# Altium PCB Motherboard.PcbDoc (part 2 of 3)
Units mil, origin at the board's own origin, x right, y up, seen from the top; angles counter-clockwise.
Board outline 10000.03 x 5000.03 mil, 6 copper layers (Top Layer, Mid Layer 1, Mid Layer 2, Mid Layer 3, Mid Layer 4, Bottom Layer), stack 47.126 mil thick; 319 components, 255 nets, 1281 pads, 1580 vias.
Unrouted connection lines stored in the file: 180.
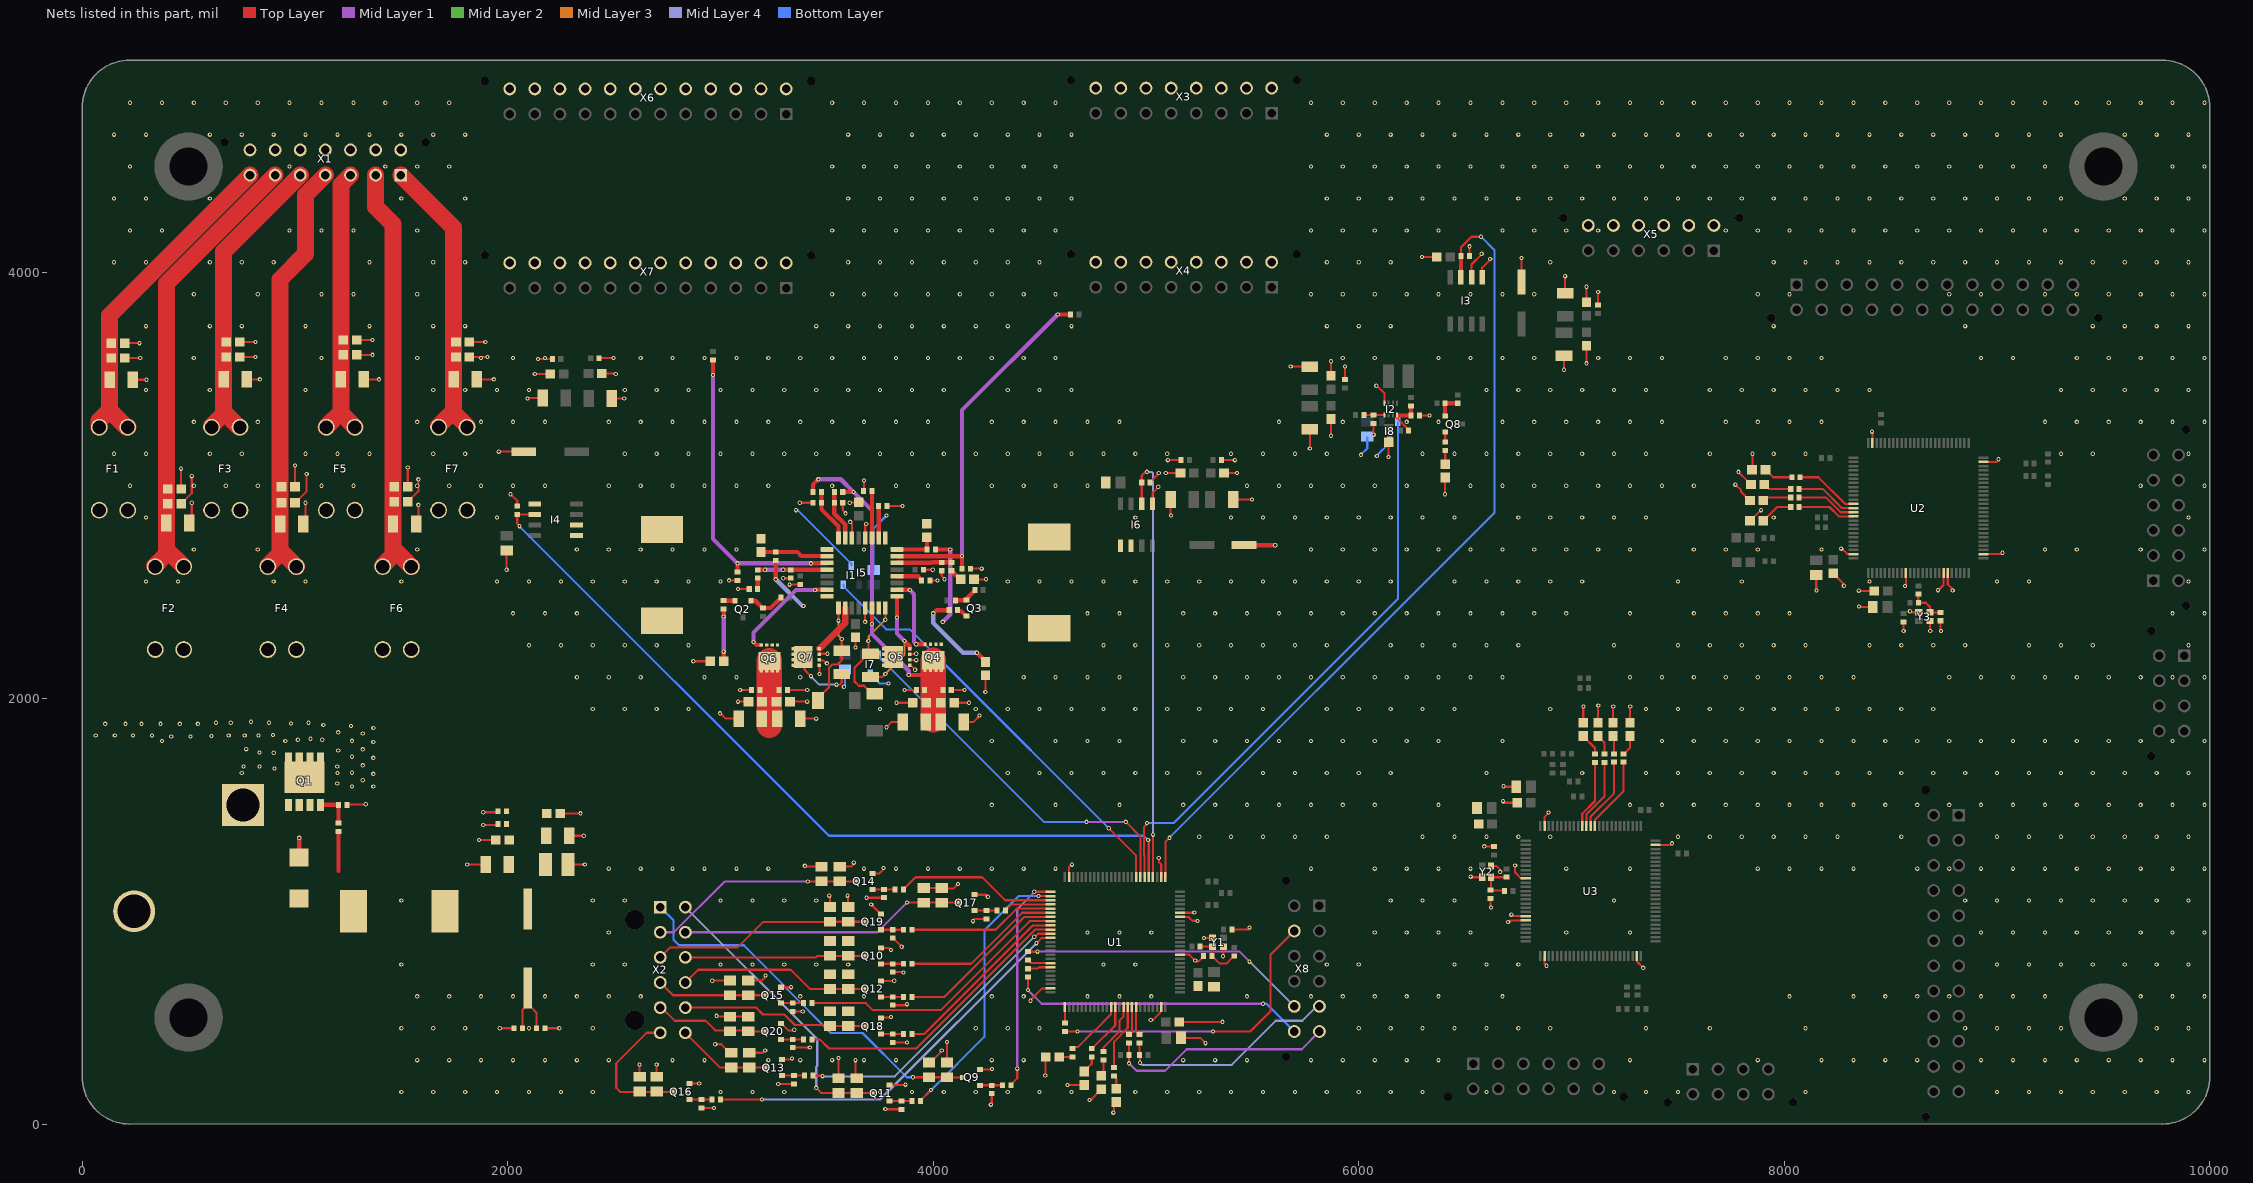
[diagram p6: the nets of this part, all layers, seen from the top]

## Via types
v1: diameter 20, hole 10, Top Layer to Bottom Layer, tented both sides, 1580 vias

## Nets (pads, with @x,y where several pads share a name; then routed paths per layer and width w, separated by ;. In a path a pad name is that pad's centre, name@x,y a point inside that pad or via, vN(x,y) a via of type N, cw(c..) or ccw(c..) an arc to the next point about the centre after c; other vN are vias at no path point) (continued)
BAT_Main: C4.1 C5.1 C6.1 C7.1 C8.1 C9.1 C10.1 C15.1 C16.1 C20.1 C21.1 C22.1 C35.1 C36.1 C37.1 C38.1 C122.1 C129.1 C130.1 C131.1 F1.1 F2.1 F3.1 F4.1 F5.1 F6.1 F7.1 I5.22 L4.2 Q4.3 Q6.3 R18.2 R19.2 | length 2004.4
  Top Layer w20: R19.2@3435.32,2970 3435.32,3005.32 v1(3460,3030) ; R18.2@3575,2970 v1(3625,2970) ; v1(3712.24,2350) I5.22@3712.24,2425.43 ; v1(3885,2110) 3955,2110
  Top Layer w120: 3230,1875 Q6.3@3230,2176.22 ; 4000,1900 Q4.3@4000,2180
  Mid Layer 1 w20: v1(3460,3030) 3565,3030 v1(3625,2970) 3712.24,2882.76 v1(3712.24,2350) 3712.24,2302.76 3885,2130 v1(3885,2110)
BAT_MAIN_U: D1.1 J1.2 L4.1 R1.1 | length 188.2
  Top Layer w20: D1.1@1015,1050 D1.1@1015,1052.91 ; 1205,1190 R1.1@1205,1375.32
COMP1: C46.1 I5.30 R20.2 | length 261.3
  Top Layer w10: I5.30@3829.57,2637.24 I5.30@3830.79,2638.46 ; C46.1@4035,2640 4035.32,2639.68 C46.1@4039.68,2639.68 ; C46.1@4038.46,2638.46 C46.1@4039.68,2639.68 ; C46.1@4040,2639.68 C46.1@4039.68,2639.68
  Top Layer w20: I5.30@3830.79,2638.46 3993.46,2638.46 ; 3995,2639.68 4005,2639.68 R20.2@4085,2639.68
COMP2: C50.1 I5.12 R21.2 | length 321
  Top Layer w10: R21.2@3175,2604.68 R21.2@3175.16,2604.84 ; v1@3209.84,2604.84 v1(3210,2605) ; I5.12@3499.9,2605.22 I5.12@3500.43,2605.75
  Top Layer w20: R21.2@3175.16,2604.84 v1@3209.84,2604.84 ; v1(3295,2605) 3329.68,2605 C50.1@3330,2604.68 ; C50.1@3335,2605 3335.22,2605.22 I5.12@3499.9,2605.22
  Mid Layer 1 w20: v1(3210,2605) v1(3295,2605)
CS1+: C25.2 I5.32 R11.2 | length 199.2
  Top Layer w10: I5.32@3830,2700 I5.32@3830.24,2700.24 ; R11.2@3970,2700 R11.2@3970.24,2700.24 ; C25.2@3970,2758.5 C25.2@3970.32,2758.19 ; R11.2@3970.32,2700.24 R11.2@3970.24,2700.24 ; R11.2@3970.32,2700.32 R11.2@3970.24,2700.24
  Top Layer w20: I5.32@3830.24,2700.24 R11.2@3970.24,2700.24 ; R11.2@3970.32,2700.32 C25.2@3970.32,2758.19
CS1-: C25.1 I5.1 I6.1 I6.2 L1.2
CS2+: C40.2 I5.10 R15.2 | length 318.3
  Top Layer w20: C40.2@3190,2688.5 3258.5,2688.5 R15.2@3260,2690 ; R15.2@3260,2688.5 3361.5,2688.5 3380,2670 I5.10@3500,2670
CS2-: C40.1 I4.1 I4.2 I5.9 L2.2
Debug_LED0: R74.1 U3.90 | length 324.5
  Top Layer w10: U3.90@7050.63,1400.12 7050.63,1458.65 7110,1518.02 R74.1@7110,1700
Debug_LED1: R76.1 U3.89 | length 335
  Top Layer w10: U3.89@7070.31,1400.12 7070.31,1455.32 7155,1540 R76.1@7155,1700
Debug_LED2: R80.1 U3.88 | length 345.4
  Top Layer w10: U3.88@7090,1400.12 7090,1445 7200,1555 R80.1@7200,1700
Debug_LED3: R84.1 U3.87 | length 355.9
  Top Layer w10: U3.87@7109.69,1400.12 7110.27,1400.7 7110.27,1430.27 7245,1565 R84.1@7245,1700
Debug_LED4: R73.1 U2.90 | length 274
  Top Layer w10: R73.1@8069.69,2900 8212.3,2900 8256.55,2855.75 8324.25,2855.75 U2.90@8325,2855
Debug_LED5: R75.1 U2.89 | length 284
  Top Layer w10: R75.1@8070,2945 8195,2945 8264.57,2875.43 U2.89@8325.2,2875.43
Debug_LED6: R79.1 U2.88 | length 292.4
  Top Layer w10: R79.1@8070,2985 8180,2985 8269.88,2895.12 U2.88@8325.2,2895.12
Debug_LED7: R83.1 U2.87 | length 302.1
  Top Layer w10: R83.1@8075,3040 8160,3040 8285.2,2914.8 U2.87@8325.2,2914.8
Debug_LED8: R32.1 U1.91 | length 311.5
  Top Layer w10: R32.1@4850,265 4850,387.3 4914.37,451.67 U1.91@4914.37,549.88
Debug_LED9: R37.1 U1.90 | length 249.4
  Top Layer w10: R37.1@4800,339.69 4800.64,340.32 4800.64,360.64 4875,435 4875,485 4893.78,503.78 4893.78,548.98 U1.90@4894.69,549.88
Debug_LED10: R39.1 U1.88 | length 239.8
  Top Layer w10: R39.1@4745,360 4752.28,360 4855.31,463.03 U1.88@4855.31,549.88
Debug_LED11: R40.1 U1.87 | length 281.4
  Top Layer w10: R40.1@4655,355 4661.5,361.5 4678.88,361.5 4755.95,438.56 4758.56,438.56 4835.63,515.63 U1.87@4835.63,549.88
EN1: I5.7 R18.1 R23.2 | length 236.8
  Top Layer w10: R23.2@3535,2920 R23.2@3535.32,2920.32
  Top Layer w20: R23.2@3535,2920 3535,2868.46 3586.26,2817.2 I5.7@3586.26,2754.57 ; R23.2@3535.32,2920.32 R18.1@3535.32,2970
EN2: I5.8 R19.1 R24.2 | length 248.6
  Top Layer w10: R24.2@3474.68,2920.32 R24.2@3475,2920
  Top Layer w20: R24.2@3474.68,2920.32 R19.1@3474.68,2970 ; R24.2@3475,2920 3475,2888.88 3554.76,2809.11 I5.8@3554.76,2754.57
EN_3.3V: I2.5 R26.1 R28.2 | length 96.4
  Top Layer w10: R26.1@6024.69,3332.44 R28.2@6070,3332.44 6117.44,3332.44 I2.5@6120,3335
FB1: I5.31 R16.1 R22.2 | length 1745.5
  Top Layer w20: I5.31@3831.65,2668.74 4133.74,2668.74 v1(4135,2670) 4135.16,2669.84 R22.2@4135.16,2610.16 ; v1(4585,3805) R16.1@4645.31,3805
  Mid Layer 1 w20: v1(4135,2670) 4135,3355 v1(4585,3805)
FB2: I5.11 R17.1 R69.1 | length 1464.6
  Top Layer w10: I5.11@3498.19,2635 I5.11@3500.43,2637.24
  Top Layer w20: v1(2965,3520) R17.1@2965,3590.32 ; R69.1@3080,2594.68 v1(3080,2635) ; v1(3425,2635) I5.11@3498.19,2635
  Mid Layer 1 w20: v1(2965,3520) 2965,2750 v1(3080,2635) v1(3425,2635)
FB_3.3V: C60.2 I2.8 R30.1 R31.2 | length 194.4
  Top Layer w10: I2.8@6180,3332.44 6180,3330.08 I2.8@6180.08,3330 ; I2.8@6180.08,3325.63 6180.08,3316.57 6234.69,3261.97 C60.2@6234.69,3260 ; R31.2@6245.16,3330.16 R31.2@6245.31,3330
  Top Layer w20: 6185,3330 6245,3330 R30.1@6245,3373.5
GND: C1.2 C2.2 C3.2 C4.2 C5.2 C6.2 C7.2 C8.2 C9.2 C10.2 C11.2 C12.2 C13.2 C14.2 C15.2 C16.2 C17.2 C18.2 C19.2 C20.2 C21.2 C22.2 C23.1 C24.1 C26.2 C27.2 C28.2 C29.2 C30.1 C33.2 C34.2 C35.2 C36.2 C37.2 C38.2 C39.2 C41.2 C42.2 C43.2 C44.2 C45.2 C46.2 C47.2 C48.2 C49.2 C50.2 C51.2 C52.2 C53.2 C54.2 C55.2 C56.2 C57.2 C58.2 C59.2 C61.2 C62.2 C63.2 C64.2 C65.1 C66.2 C67.2 C68.2 C69.2 C70.2 C71.2 C72.2 C73.2 C74.2 C75.2 C76.2 C77.2 C78.2 C79.2 C80.2 C81.2 C82.2 C83.2 C84.2 C85.2 C86.2 C87.2 C88.2 C89.2 C90.2 C91.2 C92.1 C93.2 C94.2 C95.2 C96.2 C97.2 C98.2 C99.2 C100.2 C101.2 C102.2 C103.2 C104.2 C105.2 C106.2 C107.2 C108.2 C109.2 C110.2 C111.2 C112.2 C113.2 C114.1 C115.1 C116.2 C117.2 C118.2 C119.2 C120.1 C121.1 C123.2 C124.2 C125.2 C126.2 C127.2 C128.2 C129.2 C130.2 C131.2 D1.2 D4.2 D5.2 D6.2 D7.2 D8.2 D9.2 D10.2 D11.2 D12.2 D13.2 D14.2 D15.2 D16.2 I1.3 I2.4 I3.5 I3.6 I4.5 I5.4 I5.6 I5.21 I6.5 I7.3 I8.3 PG_5V.2 PG_12V.2 Q1.3 Q5.2 Q7.2 Q9.2 Q10.2 Q11.2 Q12.2 Q13.2 Q14.2 Q15.2 Q16.2 Q17.2 Q18.2 Q19.2 Q20.2 R2.1 R3.1 R4.1 R12.1 R13.1 R14.1 R22.1 R23.1 R24.1 R28.1 R31.1 R50.2 R51.2 R54.2 R55.2 R57.2 R61.2 R62.2 R63.2 R66.2 R67.2 R69.2 R71.2 R72.2 U1.10 U1.19 U1.20 U1.27 U1.49 U1.74 U1.99 U2.10 U2.19 U2.20 U2.27 U2.49 U2.74 U2.99 U3.10 U3.19 U3.20 U3.27 U3.49 U3.74 U3.99 X1.P$8 X1.P$9 X1.P$10 X1.P$11 X1.P$12 X1.P$13 X1.P$14 X3.P$9 X3.P$10 X3.P$11 X3.P$12 X3.P$13 X3.P$14 X3.P$15 X3.P$16 X4.P$9 X4.P$10 X4.P$11 X4.P$12 X4.P$13 X4.P$14 X4.P$15 X4.P$16 X5.P$7 X5.P$8 X5.P$9 X5.P$10 X5.P$11 X5.P$12 X6.P$13 X6.P$14 X6.P$15 X6.P$16 X6.P$17 X6.P$18 X6.P$19 X6.P$20 X6.P$21 X6.P$22 X6.P$23 X6.P$24 X7.P$13 X7.P$14 X7.P$15 X7.P$16 X7.P$17 X7.P$18 X7.P$19 X7.P$20 X7.P$21 X7.P$22 X7.P$23 X7.P$24 Y1.2 Y2.2 Y3.2 | length 15854.6
  Top Layer w10: C94.2@200,3600 v1(272.78,3600) ; C95.2@200,3670 v1(270,3670) ; C93.2@237.12,3498 298.16,3498 300,3499.84 v1@300,3500 ; C97.2@465,2915 465.98,2915 515,2964.02 v1(515,3045) ; C98.2@465,2985 v1(465,3080) ; C96.2@504.13,2825 515,2835.87 v1(515,2920) ; C100.2@740,3605 v1(815,3605) ; C101.2@740,3675 v1(815,3675) ; C99.2@774.13,3500 v1(835,3500) ; C103.2@1000,2920 1000.98,2920 1055,2974.02 v1(1055,3055) ; C104.2@1000,2995 v1(1000,3095) ; C102.2@1039.13,2820 1050,2830.87 v1(1050,2920) ; R2.1@1245,1500 1246.41,1501.41 1331.37,1501.41 v1(1332.78,1502.81) ; C106.2@1290,3615 v1(1365,3615) ; C107.2@1290,3685 v1(1365,3685) ; C105.2@1324.13,3500 v1(1395,3500) ; C109.2@1530,2925 1530.98,2925 1580,2974.02 v1(1580,3030) ; C110.2@1530,2995 v1(1530,3085) ; C108.2@1569.13,2820 1580,2830.87 v1(1580,2910) ; v1(1810,1220) C5.2@1895.87,1220 ; C112.2@1820,3605 v1(1905,3605) ; C113.2@1820,3675 v1(1895,3675) ; C111.2@1854.13,3500 v1(1935,3500) ; v1(1865,1335) C7.2@1943.5,1335 ; v1(1885,1405) 1950.32,1405 C9.2@1955.32,1410 ; v1(1885,1465) 1950.32,1465 C10.2@1955.32,1470 ; v1@1960,3160 C39.2@2075.98,3160 ; v1@1964.68,450 R3.1@2030.32,450 ; v1(1995,2605) C11.2@1995,2695.71 ; v1@2015,2960 2045,2930 C12.2@2045,2904.37 ; v1@2095,3410 2097,3412 C33.2@2163.87,3412 ; v1@2130,3525 C43.2@2200,3525 ; v1@2145,3595 C128.2@2210,3595 ; R4.1@2174.68,450 v1@2240.32,450 ; C8.2@2246.5,1460 v1@2345,1460 ; C4.2@2282.8,1220 v1@2365,1220 ; C6.2@2289.13,1355 v1@2360,1355 ; C45.2@2429.68,3599 2430.68,3600 v1@2500,3600 ; C44.2@2442.86,3527 2508,3527 v1@2510,3525 ; C34.2@2488.13,3410 v1@2550,3410 ; C80.2@2620,221.64 v1(2620,280) ; C81.2@2700,221.64 v1(2700,280) ; Q16.2@2854.37,189.75 2854.49,189.88 2899.88,189.88 v1(2900,190) ; v1@2875,2175 PG_12V.2@2952.01,2175 ; R63.2@2910,75.58 2910.29,75.29 2969.71,75.29 v1(2970,75) ; v1@2965,670 2969.65,674.65 C78.2@3045,674.65 ; v1(2975,375) 3003.54,375 3043.9,334.65 C74.2@3050,334.65 ; v1@2985,505 2985.35,504.65 C88.2@3045,504.65 C89.2@3130,504.65 ; v1@3000,1930 3025,1905 C35.2@3086.73,1905 ; v1(3040,2555.07) 3040.12,2555.19 3079.88,2555.19 R69.2@3080,2555.32 ; v1@3085,1985 C36.2@3132.01,1985 ; v1@3085,2515 C52.2@3135.32,2515 ; v1@3095,2040 C38.2@3145.32,2040 ; C79.2@3130,674.65 3194.65,674.65 v1@3215,695 ; C75.2@3135,334.65 3199.65,334.65 v1(3210,345) ; v1@3275,185 3278.58,188.58 R57.2@3345,188.58 ; Q20.2@3284.37,472.76 3286.34,472.76 3319.09,440 3350,440 3346.76,443.24 v1(3346.53,443.24) ; Q15.2@3284.37,642.76 3332.24,642.76 v1@3335,640 ; Q13.2@3289.37,302.76 3337.93,302.76 v1@3339.63,304.46 ; v1(3295,2565) 3295.16,2565.16 3329.84,2565.16 C50.2@3330,2565.32 ; C131.2@3314.68,2040 v1@3410,2040 ; v1(3325,2535) 3325.16,2535.16 3374.84,2535.16 C30.1@3375,2535.32 ; C37.2@3326.5,1985 v1@3410,1985 ; R72.2@3340,358.58 3340.71,359.29 3419.29,359.29 v1(3420,360) ; R62.2@3340,528.58 3386.42,528.58 v1@3390,525 ; C130.2@3374.13,1905 v1(3450,1905) ; v1@3375,2920 3375.04,2920.04 R24.1@3435.32,2920 R24.1@3435.32,2920 ; v1@3400,1210 3474.65,1210 C77.2@3475,1209.65 ; Q7.2@3464.8,2156.61 3464.9,2156.52 3464.9,2115.1 v1(3465,2115) ; Q7.2@3464.8,2182.2 3467.68,2179.33 3482.96,2179.33 3497.29,2165 v1(3500,2165) ; Q7.2@3464.8,2207.8 3467.01,2210 v1@3505,2210 ; C87.2@3515,1019.65 v1@3515,1070 ; C71.2@3555,214.65 v1(3555,310) ; C76.2@3560,1209.65 3614.65,1209.65 v1@3630,1225 ; R23.1@3574.68,2920 3574.68,2885.32 v1@3590,2870 ; C86.2@3600,1019.65 v1@3600,1070 ; v1(3610,2830) 3617.76,2822.24 I5.6@3617.76,2754.57 ; v1@3610,2920 3611.5,2921.5 C23.1@3650,2921.5 ; v1(3635,300) 3635,219.65 C70.2@3640,214.65 ; v1(3635,2240) C29.2@3635,2287.01 ; R13.1@3672.87,2975 3673.94,2976.06 3673.94,3023.94 v1(3675,3025) ; v1(3680,2360) 3680,2424.69 I5.21@3680.75,2425.43 ; I5.4@3680.75,2754.57 3680.75,2813.04 3685,2817.29 v1(3685,2820) ; v1@3690,1065 3691.42,1063.58 R61.2@3768,1063.58 ; v1@3710,1030 3710.16,1030 3752.4,987.76 Q19.2@3754.37,987.76 ; Q14.2@3714.37,1177.76 3747.76,1177.76 v1@3770,1200 ; Q18.2@3754.37,497.76 3756.61,500 v1@3805,500 ; Q12.2@3754.37,672.4 3817.6,672.4 v1@3820,670 ; Q10.2@3754.37,827.76 3792.24,827.76 v1@3805,815 ; v1(3775,70) 3775.71,69.29 3849.29,69.29 R54.2@3850,68.58 ; v1(3780,1865) 3805,1890 C15.2@3855.87,1890 ; R14.1@3783.11,2905 R14.1@3783.11,2905 3854.96,2905.04 v1(3855,2905.07) ; Q11.2@3794.37,182.76 3795.49,183.88 3868.88,183.88 v1(3870,185) ; R67.2@3810,383.58 3876.42,383.58 v1@3880,380 ; R55.2@3810,558.23 3878.23,558.23 v1@3880,560 ; R51.2@3810,713.58 3856.42,713.58 v1@3860,710 ; R71.2@3810,873.58 3811.97,873.58 3850,835.55 3850,835 v1@3855,830 ; v1@3830,1975 3835,1980 C21.2@3903.5,1980 ; v1(3865,2040) C129.2@3920.32,2040 ; Q5.2@3889.8,2156.61 3892.68,2153.74 3896.26,2153.74 v1(3915,2135) ; Q5.2@3889.8,2182.2 3892.01,2180 v1(3920,2180) ; Q5.2@3889.8,2207.8 3890.91,2208.9 3918.9,2208.9 v1(3920,2210) ; C24.1@3954.68,2605 v1@4000,2605 ; C82.2@3955,1110 4039.65,1110 C83.2@4040,1109.65 ; C66.2@3980,288.65 3986.1,288.65 4040,342.55 v1(4040,345) ; R12.1@3984.68,2555 v1(4020,2555) ; C46.2@4040,2600.32 4040,2575 v1@4055,2560 ; C83.2@4042.32,1107.32 4095.62,1107.32 v1(4116.53,1128.24) ; C67.2@4065,288.65 v1(4065,385) ; C22.2@4084.68,2040 4084.9,2039.78 4146.93,2039.78 v1(4147.15,2039.57) ; C20.2@4097.99,1980 v1@4170,1980 ; C16.2@4143.27,1890 4190,1890 v1@4220,1920 ; R22.1@4174.69,2610 v1@4230,2610 ; v1@4185,955 4193.58,963.58 R66.2@4250,963.58 ; C51.2@4191.5,2560 v1@4250,2560 ; Q17.2@4194.37,1077.76 4247.24,1077.76 v1@4255,1070 ; Q9.2@4219.37,256.76 4276.76,256.76 v1@4280,260 ; v1(4245,2030) PG_5V.2@4245,2108.5 ; v1@4275,90 R50.2@4275,142.59 ; v1@4455,580 4512.56,637.56 4549.29,637.56 U1.74@4550.2,638.46 ; D8.2@4528.5,315 4528.5,226.5 v1@4530,225 ; v1@4635,180 4638.5,183.5 D7.2@4710,183.5 ; U1.49@4638.78,1160.12 4638.78,1208.78 v1@4650,1220 ; v1@4740,110 4740,112.52 4790,162.52 D6.2@4790,163.5 ; v1@4850,50 D5.2@4850,103.5 ; C14.2@5019.37,3015 5019.37,3016.97 5060,3057.6 v1(5060,3060) ; v1@5020,490 5033.83,490 5066.57,522.74 5066.57,526.89 5071.85,532.17 U1.99@5071.85,549.88 ; I6.5@5030,2918.43 5030,2965 v1@5060,2995 ; v1(5060,1250) 5061.91,1248.09 5061.91,1229.94 5071.85,1220 U1.27@5071.85,1160.12 ; v1@5095,3060 C27.2@5162.01,3060 ; v1@5100,3120 C28.2@5165,3120 ; C18.2@5115.87,2935 5115.87,2864.13 v1@5120,2860 ; C90.2@5156.5,480 v1(5360,480) ; U1.10@5160.43,795.94 5203.83,795.94 5229.77,770 v1@5230,770 ; U1.19@5160.43,973.11 5200.02,973.11 5218.13,955 v1@5240,955 ; U1.20@5160.43,992.8 5222.8,992.8 v1@5225,995 ; C91.2@5164.65,405 5255,405 v1(5280,380) ; v1@5235,765 5247.28,765 5270.31,788.03 C65.1@5270.31,790 ; v1@5270,875 Y1.2@5311.85,875 ; C127.2@5354.37,3120 v1@5420,3120 ; v1@5365,785 Y1.2@5365,833.66 ; C26.2@5366.5,3060 v1@5430,3060 ; C92.1@5404.69,915 5485,915 v1@5490,920 ; C19.2@5409.13,2935 v1@5500,2935 ; v1(5680,3560) 5769.13,3560 C41.2@5770,3559.13 ; v1(5770,3175) C42.2@5770,3265.87 ; v1(5870,3235) C54.2@5870,3313.5 ; C53.2@5870,3516.5 v1(5870,3585) ; C55.2@5935,3499.68 v1(5935,3560) ; v1(6070,3240) R28.1@6070,3293.07 ; v1@6085,3470 6120.94,3434.06 I2.4@6120.94,3387.56 ; v1(6140,3135) 6140,3202.87 C56.2@6140.63,3203.5 ; R31.1@6284.69,3330 v1@6335,3330 ; v1@6300,4075 C61.2@6367.01,4075 ; v1(6405,2960) 6405,3037.24 D4.2@6406.26,3038.5 ; C62.2@6519.69,4080 6520,4080.32 v1(6520,4125) ; v1@6525,1160 Y2.2@6580,1160 ; I3.6@6530,3980.24 6530,4040 v1@6580,4090 ; I3.5@6580,3980.24 6580,4025 v1@6620,4065 ; v1(6590,1305) 6590.16,1304.84 6634.84,1304.84 C114.1@6635,1304.68 ; v1@6620,1020 C120.1@6620,1060 ; Y2.2@6621.34,1213.15 6646.85,1213.15 6663.09,1196.91 6663.09,1186.91 v1(6665,1185) ; v1@6676.5,1515 6681.5,1510 C116.2@6745,1510 ; v1@6679.65,1585 C117.2@6740,1585 ; v1@6705,950 6712.2,957.2 U3.20@6784.88,957.2 ; v1@6720,985 6728.11,976.89 U3.19@6784.88,976.89 ; v1(6735,1215) 6735,1182.07 6762.11,1154.96 6783.98,1154.96 U3.10@6784.88,1154.06 ; C47.2@6765,3956.61 v1(6765,4070) ; U3.27@6873.46,789.88 6873.46,751.54 v1@6880,745 ; U3.99@6873.46,1400.12 6873.46,1443.46 v1@6895,1465 ; v1(6965,3545) C48.2@6965,3610.87 ; C49.2@6970,3904.13 v1(6970,3985) ; D9.2@7055,1886.5 v1@7055,1960 ; v1(7070,3575) C57.2@7070,3658.5 ; C58.2@7070,3861.5 v1(7070,3935) ; D10.2@7125,1886.5 v1@7125,1960 ; C59.2@7125,3849.68 v1(7125,3910) ; D11.2@7195,1886.5 v1@7195,1960 ; D12.2@7275,1886.5 v1@7275,1960 ; U3.49@7306.54,789.88 7307.44,788.98 7307.44,763.76 v1(7337.14,734.06) ; U3.74@7395.12,1311.54 7461.54,1311.54 v1@7470,1320 ; v1(7770,3005) 7796.91,2978.09 7796.91,2970.61 7837.52,2930 D14.2@7838.5,2930 ; v1(7785,3065) 7785,3063.5 7825.87,3022.64 7825.87,3021.65 7842.52,3005 D15.2@7843.5,3005 ; D13.2@7838.5,2835 7839.49,2835 7889.49,2885 v1(7890,2885) ; D16.2@7848.5,3075 7850,3076.5 v1(7850,3150) ; v1@8150,2505 C123.2@8150,2580.35 ; C124.2@8230,2588.5 8230,2587.52 8278.09,2539.43 8278.09,2531.91 v1(8280,2530) ; v1@8270,2705 8295.51,2679.49 8324.29,2679.49 U2.99@8325.2,2678.58 ; v1@8350,2430 C125.2@8415.35,2430 ; v1@8350,2505 C126.2@8423.5,2505 ; U2.74@8413.78,3200.24 8413.78,3253.78 v1@8415,3255 ; v1@8560,2315 C115.1@8560,2360.32 ; v1@8570,2530 8571.26,2531.26 U2.10@8571.26,2590 ; v1(8590,2410) 8592.71,2410 8597.71,2405 Y3.2@8631.85,2405 ; v1@8685,2315 Y3.2@8685,2363.66 ; v1@8725,2510 8748.43,2533.43 U2.19@8748.43,2590 ; v1@8735,2315 C121.1@8735,2365.32 ; U2.20@8768.11,2590 8768.11,2536.89 v1@8795,2510 ; U2.27@8935.43,2678.58 9015.88,2678.58 9022.29,2685 v1(9025,2685) ; U2.49@8935.43,3111.65 8996.65,3111.65 v1@9005,3120
  Top Layer w20: D1.2@1020,1252.8 v1(1020,1345) ; C17.2@5460,2721.57 5461.57,2720 v1@5610,2720
  Bottom Layer w10: v1(3355,2885) 3363.15,2885 3615,2633.15 I1.3@3615,2625.28 ; v1(3580,2055) 3585,2060 C2.2@3585,2135.98 ; I7.3@3705,2114.72 3705,2106.85 3712.8,2099.06 3720.67,2099.06 3749.72,2070 v1(3790,2070) ; C1.2@3720,2604.02 3720,2800 v1(3780,2860) ; v1(6010,3145) 6040,3175 C3.2@6040,3225.35 ; v1(6085,3140) 6085,3141.85 6145,3201.85 I8.3@6145,3209.72
  other v1: 4846.53,53.24 4270.8,91.01 4734.12,112.69 1500,150 1650,150 1800,150 1950,150 2100,150 2250,150 2400,150 2850,150 3000,150 3150,150 3300,150 3750,150 3900,150 4050,150 4200,150 4350,150 4500,150 4650,150 4950,150 5100,150 5250,150 5400,150 5550,150 5700,150 5850,150 6000,150 6150,150 6300,150 6600,150 7200,150 7350,150 7500,150 8100,150 9000,150 9150,150 9300,150 9450,150 9600,150 9750,150 9900,150 4631.53,183.24 3271.53,188.24 4526.53,228.24 4276.53,258.24 1575,300 1725,300 1875,300 2025,300 2175,300 2325,300 2475,300 2775,300 2925,300 3225,300 3375,300 3525,300 3675,300 3825,300 4275,300 4425,300 5175,300 5325,300 5475,300 5775,300 5925,300 6075,300 6225,300 6375,300 7275,300 7875,300 8175,300 8325,300 8475,300 8625,300 8925,300 9075,300 9225,300 9375,300 9525,300 9675,300 9825,300 9975,300 3336.16,307.7 3876.53,383.24 1500,450 1650,450 1800,450 1962.34,450.07 2100,450 2242.66,449.93 2400,450 3750,450 4200,450 4350,450 4500,450 6000,450 6150,450 6300,450 6450,450 6600,450 6750,450 6900,450 7350,450 7650,450 8100,450 8850,450 9000,450 9150,450 9300,450 9750,450 9900,450 5022.14,489.06 3801.53,503.24 2981.53,508.24 3386.53,528.24 3876.53,563.24 4457.14,579.06 1575,600 1725,600 1875,600 2025,600 2175,600 2325,600 2475,600 2625,600 3375,600 3675,600 4275,600 4425,600 4725,600 4875,600 5025,600 5475,600 5775,600 5925,600 6075,600 6225,600 6375,600 6675,600 8025,600 8325,600 8475,600 8625,600 8775,600 8925,600 9075,600 9225,600 9675,600 9825,600 9975,600 3331.53,643.24 2961.53,673.24 3816.53,673.24 3211.53,698.24 3859.84,712.32 6882.14,744.06 1500,750 2400,750 2550,750 3000,750 3150,750 3300,750 3450,750 3600,750 4800,750 4950,750 5850,750 6000,750 6450,750 6600,750 6750,750 9000,750 9150,750 9300,750 9450,750 9600,750 9750,750 9900,750 5231.53,768.24 5361.53,788.24 3801.53,818.24 3851.67,833.01 5272.14,874.06 2475,900 4725,900 4875,900 5025,900 6075,900 6225,900 6375,900 6525,900 6975,900 7275,900 8925,900 9075,900 9225,900 9375,900 9525,900 9675,900 9825,900 9975,900 5486.53,923.24 6702.14,949.06 4186.53,953.24 5242.14,954.06 6717.14,984.06 5227.14,994.06 6621.02,1017.5 3708.24,1031.25 1500,1050 2400,1050 2550,1050 3000,1050 3150,1050 3300,1050 3450,1050 6150,1050 6300,1050 6450,1050 7200,1050 8850,1050 9000,1050 9150,1050 9300,1050 9450,1050 9600,1050 9750,1050 9900,1050 3686.53,1063.24 4256.53,1068.24 3511.53,1073.24 3596.53,1073.24 6526.02,1162.5 2475,1200 2625,1200 2775,1200 2925,1200 3075,1200 3225,1200 3675,1200 3825,1200 3975,1200 4125,1200 4275,1200 4425,1200 4575,1200 5775,1200 6075,1200 6225,1200 6375,1200 6525,1200 6975,1200 7275,1200 7875,1200 8025,1200 8175,1200 8325,1200 8625,1200 8775,1200 8925,1200 9075,1200 9225,1200 9375,1200 9525,1200 9675,1200 9825,1200 9975,1200 3766.53,1203.24 3396.53,1213.24 4652.14,1219.06 2362.65,1220.07 3626.53,1228.24 7472.14,1319.06 5250,1350 5400,1350 5550,1350 5700,1350 5850,1350 6300,1350 6450,1350 6600,1350 6750,1350 6900,1350 7500,1350 7650,1350 7800,1350 7950,1350 8100,1350 8250,1350 8550,1350 9000,1350 9150,1350 9300,1350 9450,1350 9600,1350 9750,1350 9900,1350 2357.65,1355.07 2342.65,1460.07 6892.14,1464.06 4275,1500 4575,1500 4875,1500 5175,1500 5325,1500 5475,1500 5625,1500 5775,1500 5925,1500 6075,1500 6375,1500 7275,1500 7425,1500 7575,1500 7725,1500 7875,1500 8025,1500 8175,1500 8325,1500 8475,1500 8625,1500 8775,1500 8925,1500 9075,1500 9225,1500 9375,1500 9525,1500 9675,1500 9825,1500 9975,1500 6677.52,1517.5 1268.61,1585.8 1368.61,1585.8 6680.67,1587.5 1198.61,1600.8 1318.61,1615.8 1368.61,1645.8 750,1650 1200,1650 4350,1650 4500,1650 4650,1650 4800,1650 4950,1650 5100,1650 5250,1650 5550,1650 5700,1650 5850,1650 6000,1650 6150,1650 6600,1650 7050,1650 7350,1650 7500,1650 7650,1650 7800,1650 7950,1650 8100,1650 8250,1650 8400,1650 8550,1650 8700,1650 8850,1650 9000,1650 9150,1650 9300,1650 9450,1650 9600,1650 9750,1650 9900,1650 1268.61,1650.8 903.61,1670.8 758.61,1680.8 833.61,1680.8 1198.61,1680.8 1318.61,1685.8 1368.61,1720.8 1268.61,1725.8 900.48,1744.64 833.61,1745.8 1203.61,1755.8 1318.61,1760.8 771,1761.76 1368.61,1795.8 375,1800 955,1800 4275,1800 4575,1800 4725,1800 4875,1800 5175,1800 5325,1800 5475,1800 5625,1800 5775,1800 5925,1800 6075,1800 6225,1800 6375,1800 6675,1800 7425,1800 7575,1800 7725,1800 7875,1800 8025,1800 8175,1800 8325,1800 8475,1800 8625,1800 8775,1800 8925,1800 9075,1800 9225,1800 9375,1800 9525,1800 9675,1800 9825,1800 9975,1800 1268.61,1800.8 1013.61,1805.8 1128.61,1805.8 1073.61,1810.8 418.61,1820.8 508.61,1820.8 607.28,1823.83 63.61,1825.8 153.61,1825.8 238.61,1825.8 328.61,1825.8 688.61,1825.8 763.61,1825.8 828.61,1825.8 897.27,1828.11 1318.61,1835.8 1203.61,1840.8 1368.61,1860.8 1263.61,1870.8 1133.61,1875.8 108.61,1880.8 203.61,1880.8 278.61,1880.8 368.61,1880.8 458.61,1880.8 543.61,1880.8 981.8,1882.68 628.61,1885.8 698.61,1885.8 878.61,1885.8 1063.61,1885.8 793.61,1890.8 4217.65,1920.07 2997.65,1930.07 2400,1950 2550,1950 2700,1950 2850,1950 3750,1950 4200,1950 4350,1950 4500,1950 4650,1950 4800,1950 4950,1950 5100,1950 5250,1950 5400,1950 5550,1950 5850,1950 6000,1950 6150,1950 6300,1950 6450,1950 6900,1950 7350,1950 7500,1950 7650,1950 7800,1950 7950,1950 8100,1950 8250,1950 8400,1950 8550,1950 8700,1950 7056.02,1962.5 7196.02,1962.5 7276.02,1962.5 7126.02,1967.5 3827.65,1980.07 4167.65,1980.07 3082.65,1985.07 3407.65,1985.07 3092.65,2040.07 3407.65,2040.07 2325,2100 2475,2100 2625,2100 2925,2100 3075,2100 3375,2100 4425,2100 4575,2100 4725,2100 4875,2100 5175,2100 5325,2100 5475,2100 5625,2100 5775,2100 5925,2100 6075,2100 6225,2100 6375,2100 6525,2100 6675,2100 7275,2100 7425,2100 7575,2100 7725,2100 7875,2100 8025,2100 8175,2100 8325,2100 8775,2100 8925,2100 9075,2100 9225,2100 9375,2100 9525,2100 9675,2100 9825,2100 9975,2100 2872.65,2175.07 3502.65,2210.07 2100,2250 2250,2250 2400,2250 2550,2250 2700,2250 2850,2250 4800,2250 4950,2250 5100,2250 5250,2250 5400,2250 5550,2250 5700,2250 5850,2250 6150,2250 6300,2250 6450,2250 6600,2250 6750,2250 7200,2250 7500,2250 7650,2250 7800,2250 7950,2250 8100,2250 8400,2250 8550,2250 8700,2250 8850,2250 9150,2250 9300,2250 9450,2250 9900,2250 8561.02,2317.5 8686.02,2317.5 8736.02,2317.5 2025,2400 2175,2400 2325,2400 4725,2400 4875,2400 5175,2400 5325,2400 5475,2400 5625,2400 5775,2400 5925,2400 6075,2400 6225,2400 6375,2400 6525,2400 6675,2400 6825,2400 6975,2400 7275,2400 7575,2400 7725,2400 7875,2400 8025,2400 9825,2400 9975,2400 8351.02,2432.5 8151.02,2507.5 8349.68,2506.68 8791.27,2507.27 8722.14,2509.06 3082.65,2515.07 8567.14,2529.06 300,2550 450,2550 900,2550 1050,2550 1500,2550 1950,2550 2100,2550 2250,2550 2400,2550 2550,2550 2700,2550 2850,2550 3000,2550 4350,2550 4500,2550 4650,2550 4800,2550 4950,2550 5100,2550 5250,2550 5400,2550 5550,2550 5700,2550 5850,2550 6000,2550 6150,2550 6450,2550 6600,2550 6750,2550 6900,2550 7050,2550 7500,2550 7800,2550 8400,2550 9000,2550 9150,2550 9900,2550 4052.65,2560.07 4247.65,2560.07 3997.65,2605.07 4227.65,2610.07 525,2700 825,2700 1575,2700 2325,2700 2475,2700 2625,2700 2775,2700 2925,2700 3075,2700 3675,2700 5775,2700 5925,2700 6075,2700 6225,2700 6375,2700 6525,2700 6675,2700 6825,2700 6975,2700 7125,2700 7275,2700 7575,2700 7725,2700 7875,2700 8175,2700 9225,2700 9375,2700 9675,2700 9975,2700 8267.14,2704.06 5607.65,2720.07 300,2850 1950,2850 4950,2850 5400,2850 5550,2850 5700,2850 5850,2850 6000,2850 6150,2850 6300,2850 6450,2850 6750,2850 6900,2850 7050,2850 7200,2850 7350,2850 7950,2850 9900,2850 5117.65,2860.07 3587.65,2870.07 3372.65,2920.07 3607.65,2920.07 5497.65,2935.07 2012.65,2960.07 5057.65,2995.07 225,3000 525,3000 675,3000 825,3000 1125,3000 1275,3000 1575,3000 1725,3000 1875,3000 2025,3000 2175,3000 2475,3000 2625,3000 2775,3000 2925,3000 3075,3000 3225,3000 3525,3000 3825,3000 3975,3000 4275,3000 4425,3000 4575,3000 4725,3000 5475,3000 5625,3000 5775,3000 5925,3000 6075,3000 6225,3000 6525,3000 6675,3000 6825,3000 6975,3000 7125,3000 7275,3000 7425,3000 7575,3000 9675,3000 9975,3000 5092.65,3060.07 5427.65,3060.07 5102.65,3120.07 5417.65,3120.07 9007.14,3124.06 150,3150 300,3150 600,3150 750,3150 1050,3150 1200,3150 1350,3150 1650,3150 1800,3150 2550,3150 2700,3150 2850,3150 3000,3150 3150,3150 3300,3150 3450,3150 3600,3150 3750,3150 3900,3150 4050,3150 4200,3150 4350,3150 4500,3150 4650,3150 4800,3150 4950,3150 5100,3150 5400,3150 5550,3150 5700,3150 5850,3150 6300,3150 6450,3150 6600,3150 6750,3150 6900,3150 7050,3150 7200,3150 7350,3150 7650,3150 7950,3150 8100,3150 9300,3150 9450,3150 9900,3150 1957.65,3160.07 8412.14,3254.06 525,3300 825,3300 1575,3300 1875,3300 2025,3300 2175,3300 2475,3300 2625,3300 2775,3300 2925,3300 3075,3300 3225,3300 3375,3300 3525,3300 3675,3300 3825,3300 3975,3300 4275,3300 4425,3300 4575,3300 4725,3300 4875,3300 5625,3300 5925,3300 6225,3300 6375,3300 6675,3300 6825,3300 6975,3300 7125,3300 7275,3300 7425,3300 7725,3300 7875,3300 8025,3300 8175,3300 9225,3300 9375,3300 9525,3300 9675,3300 9825,3300 9975,3300 6332.65,3330.07 2092.65,3410.07 2547.65,3410.07 300,3450 600,3450 1050,3450 1650,3450 1800,3450 1950,3450 2100,3450 2550,3450 2700,3450 2850,3450 3000,3450 3150,3450 3300,3450 3450,3450 3600,3450 3750,3450 3900,3450 4050,3450 4350,3450 4500,3450 4650,3450 6600,3450 6750,3450 6900,3450 7050,3450 7200,3450 7350,3450 7650,3450 7800,3450 7950,3450 8100,3450 8250,3450 8400,3450 9300,3450 9450,3450 9600,3450 9750,3450 9900,3450 6082.65,3470.07 302.78,3497.81 2127.65,3525.07 2507.65,3525.07 2142.65,3595.07 525,3600 1125,3600 1575,3600 1875,3600 2025,3600 2175,3600 2497.65,3600.07 2625,3600 2775,3600 2925,3600 3075,3600 3225,3600 3375,3600 3525,3600 3675,3600 3825,3600 3975,3600 4125,3600 4275,3600 4425,3600 4575,3600 5925,3600 6075,3600 6375,3600 6525,3600 6675,3600 6825,3600 7125,3600 7275,3600 7425,3600 7725,3600 7875,3600 8025,3600 8175,3600 8925,3600 9075,3600 9375,3600 9525,3600 9675,3600 9825,3600 9975,3600 300,3750 600,3750 750,3750 1050,3750 1350,3750 1650,3750 1800,3750 3450,3750 3600,3750 3750,3750 3900,3750 4050,3750 4200,3750 4350,3750 4650,3750 5850,3750 6000,3750 6150,3750 7950,3750 8850,3750 9450,3750 9600,3750 9750,3750 9900,3750 525,3900 825,3900 1125,3900 1275,3900 1575,3900 3525,3900 3675,3900 3825,3900 3975,3900 4125,3900 4275,3900 4425,3900 4575,3900 5775,3900 5925,3900 6075,3900 6225,3900 6375,3900 6525,3900 6675,3900 6825,3900 7875,3900 8025,3900 8775,3900 8925,3900 9225,3900 9375,3900 9525,3900 9675,3900 9825,3900 9975,3900 150,4050 300,4050 600,4050 750,4050 900,4050 1350,4050 1650,4050 1800,4050 3600,4050 3750,4050 3900,4050 4050,4050 4200,4050 4350,4050 4500,4050 5850,4050 6000,4050 6150,4050 6900,4050 7950,4050 8100,4050 8250,4050 8400,4050 8550,4050 8700,4050 8850,4050 9000,4050 9150,4050 9300,4050 9450,4050 9600,4050 9750,4050 9900,4050 6617.65,4065.07 6297.65,4075.07 6577.65,4090.07 225,4200 375,4200 975,4200 1125,4200 1275,4200 1575,4200 3525,4200 3675,4200 3825,4200 3975,4200 4125,4200 4275,4200 4425,4200 4575,4200 5775,4200 5925,4200 6075,4200 6225,4200 6375,4200 6675,4200 6825,4200 6975,4200 7125,4200 7725,4200 7875,4200 8025,4200 8175,4200 8325,4200 8475,4200 8625,4200 8775,4200 8925,4200 9075,4200 9225,4200 9375,4200 9525,4200 9675,4200 9825,4200 9975,4200 150,4350 300,4350 600,4350 1500,4350 1800,4350 3600,4350 3750,4350 3900,4350 4050,4350 4200,4350 4350,4350 4500,4350 4650,4350 5850,4350 6000,4350 6150,4350 6300,4350 6450,4350 6600,4350 6750,4350 6900,4350 7050,4350 7200,4350 7350,4350 7500,4350 7650,4350 7800,4350 7950,4350 8100,4350 8250,4350 8400,4350 8550,4350 8700,4350 8850,4350 9000,4350 9150,4350 9300,4350 9600,4350 9750,4350 9900,4350 225,4500 975,4500 1425,4500 1575,4500 1725,4500 3525,4500 3675,4500 3825,4500 3975,4500 4125,4500 4275,4500 4425,4500 4575,4500 5775,4500 5925,4500 6075,4500 6225,4500 6375,4500 6525,4500 6675,4500 6825,4500 6975,4500 7125,4500 7275,4500 7425,4500 7575,4500 7725,4500 7875,4500 8025,4500 8175,4500 8325,4500 8475,4500 8625,4500 8775,4500 8925,4500 9075,4500 9225,4500 9825,4500 9975,4500 150,4650 300,4650 600,4650 750,4650 900,4650 1050,4650 1200,4650 1350,4650 1500,4650 1650,4650 1800,4650 3600,4650 3750,4650 3900,4650 4050,4650 4200,4650 4350,4650 4500,4650 4650,4650 5850,4650 6000,4650 6150,4650 6300,4650 6450,4650 6600,4650 6750,4650 6900,4650 7050,4650 7200,4650 7350,4650 7500,4650 7650,4650 7800,4650 7950,4650 8100,4650 8250,4650 8400,4650 8550,4650 8700,4650 8850,4650 9000,4650 9150,4650 9300,4650 9600,4650 9750,4650 9900,4650 225,4800 375,4800 525,4800 675,4800 825,4800 975,4800 1125,4800 1275,4800 1425,4800 1575,4800 1725,4800 3525,4800 3675,4800 3825,4800 3975,4800 4125,4800 4275,4800 4425,4800 4575,4800 5775,4800 5925,4800 6075,4800 6225,4800 6375,4800 6525,4800 6675,4800 6825,4800 6975,4800 7125,4800 7275,4800 7425,4800 7575,4800 7725,4800 7875,4800 8025,4800 8175,4800 8325,4800 8475,4800 8625,4800 8775,4800 8925,4800 9075,4800 9225,4800 9375,4800 9525,4800 9675,4800 9825,4800 9975,4800